# KiCad board esp32-joystick.kicad_pcb
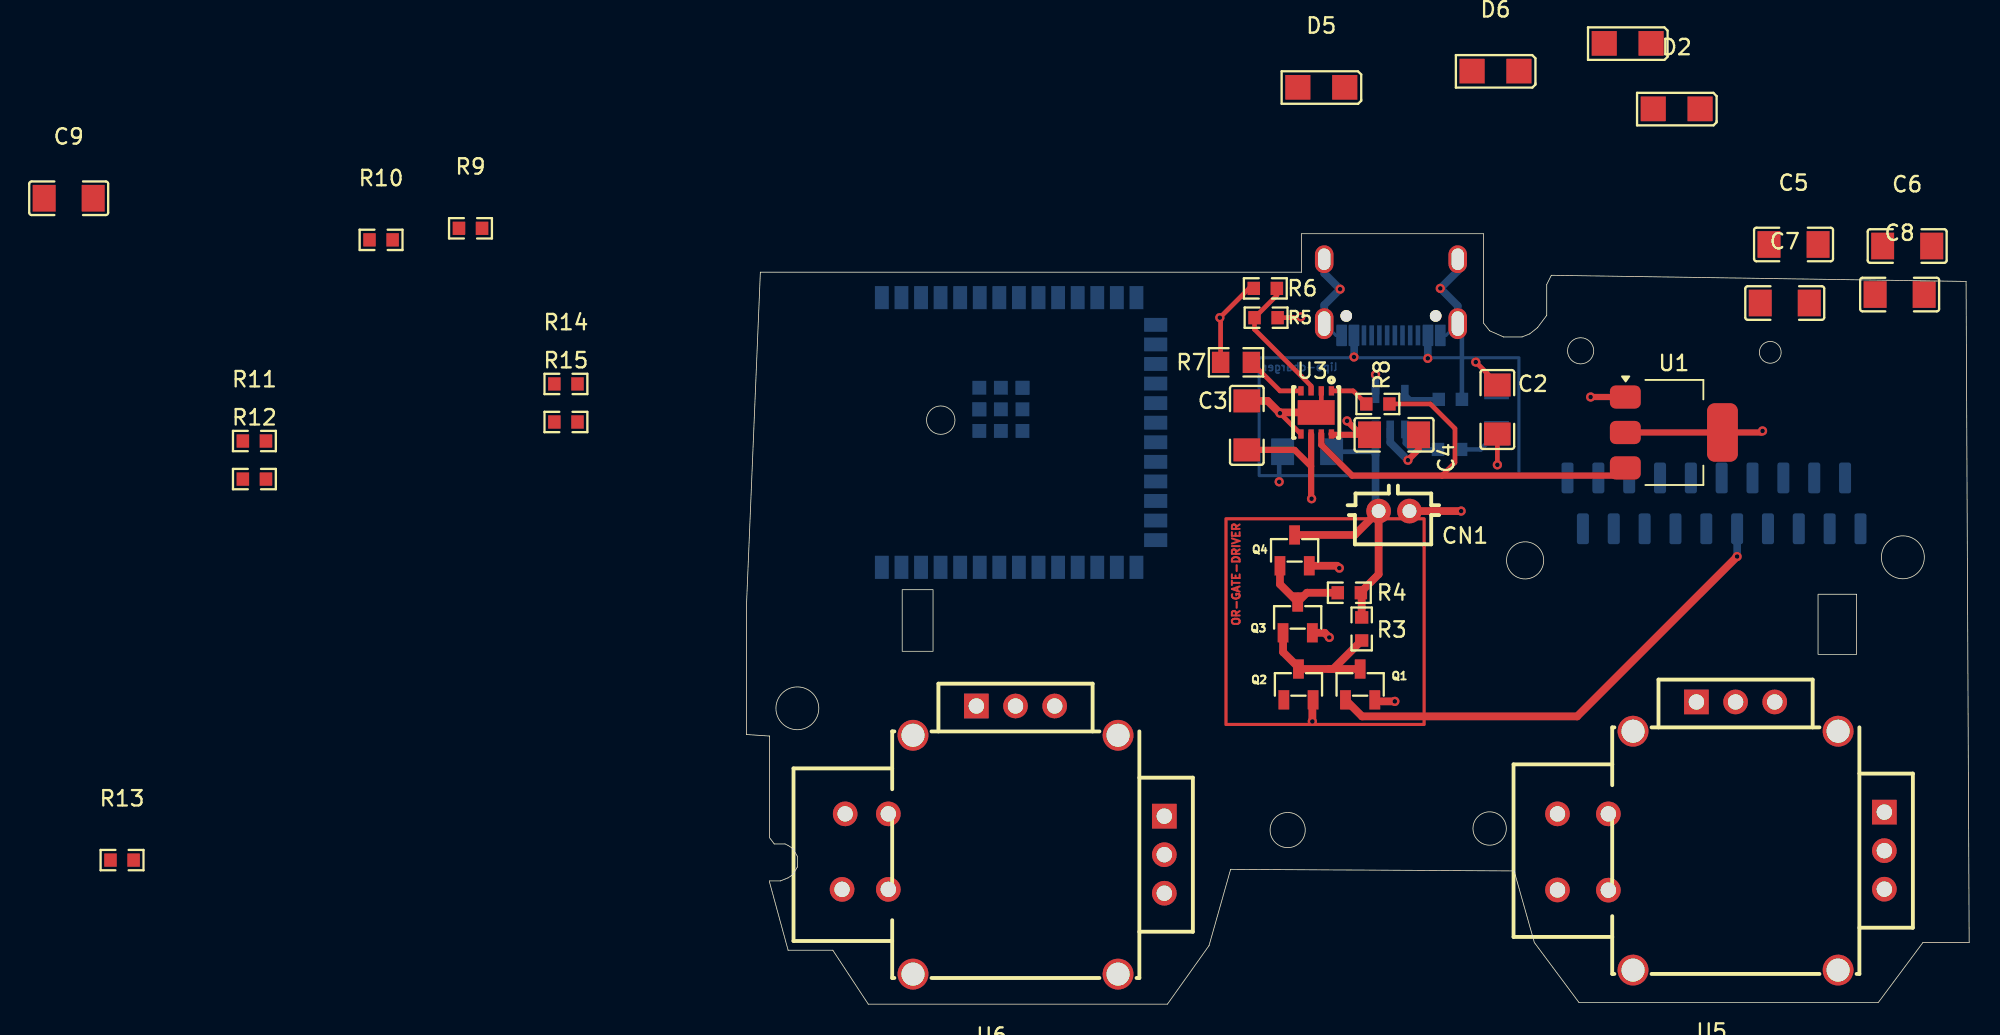
[diagram p0: board, top side]
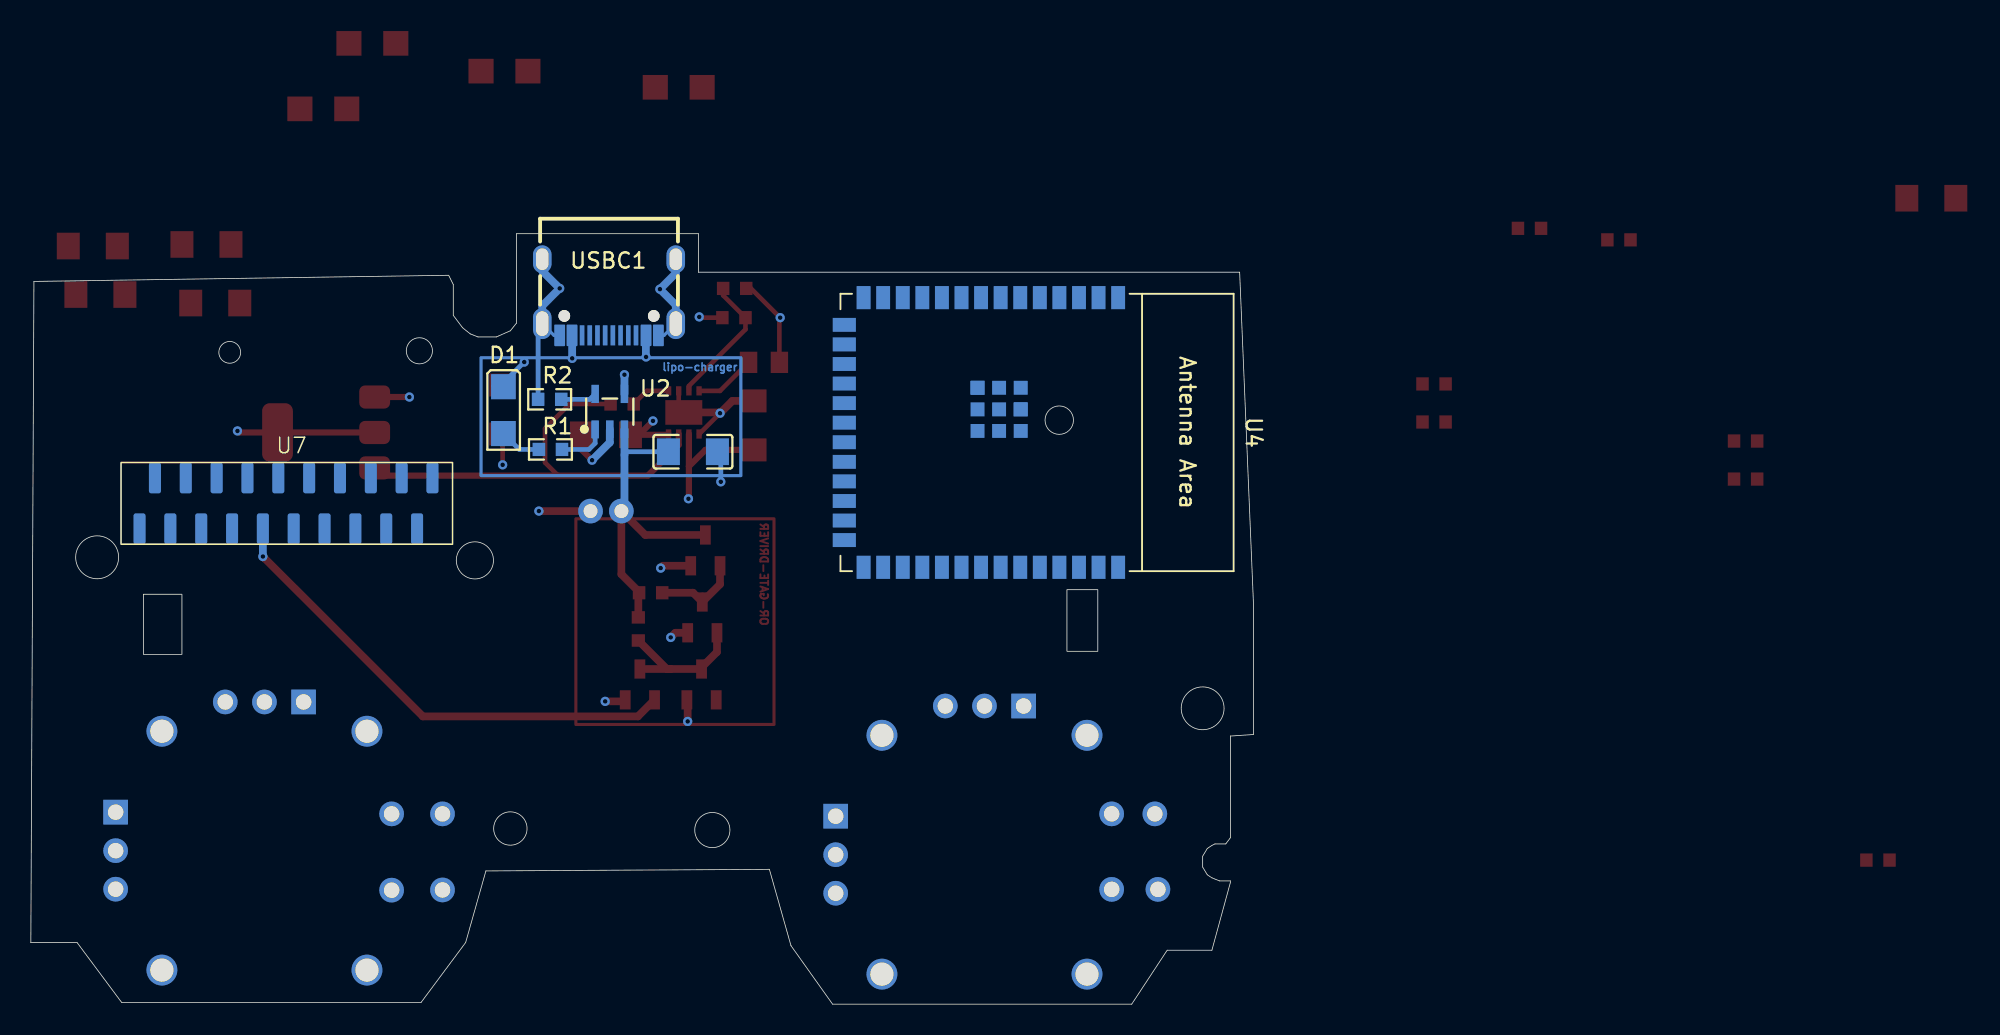
[diagram p1: board, bottom side, seen from below]

Outline 79.3 x 50 mm; copper layers: Top, Ground.Plane (plane), Power.Plane (plane), Bottom. Coordinates in mm from the lower left corner of the outline.
Outline path: circle c3.3,19.2 r1.39 ; rectangle 10.1,26.9 12.1,22.9 ; circle c12.6,37.9 r0.92 ; circle c35.1,11.3 r1.14 ; circle c48.2,11.4 r1.08 ; circle c50.5,28.8 r1.2 ; circle c54.1,42.4 r0.85 ; circle c66.4,42.3 r0.71 ; rectangle 69.5,26.6 72,22.7 ; circle c75,29 r1.39 ; 0,25.9 0.9,47.5 36,47.5 36,50 47.8,50 47.8,44.2 48.2,43.7 49.1,43.3 50.3,43.3 50.8,43.5 51.3,43.9 51.9,44.7 51.9,46.7 52.2,47.3 79.1,46.9 79.3,4 76.3,4 73.4,0.1 54,0.1 51.1,4 49.79,8.65 31.4,8.75 30,3.8 27.3,0 7.9,0 5.6,3.5 2.7,3.5 1.5,7.9 1.5,8 2.2,8 2.7,8.2 3,8.4 3.3,8.9 3.3,9.6 3,10.1 2.7,10.3 2.5,10.4 1.8,10.4 1.5,10.8 1.5,17.4 0,17.5 0,25.9
Stack: Top 0.035mm / dielectric 0.1mm FR4 er 4.5 / Ground.Plane 0.035mm / dielectric 1.24mm FR4 er 4.5 / Power.Plane 0.035mm / dielectric 0.1mm FR4 er 4.5 / Bottom 0.035mm

## Placement (name value [footprint] x y rotation side)
C1  4.7uF  [C1206]  36.36 35.85 180 bottom
C2  4.7uF  [C1206]  48.7 38.59 270 top
C3  0.1uF  [C1206]  32.45 37.56 90 top
C4  0.1uF  [C1206]  42 36.95 0 top
C5  100uF  [C1206]  67.91 49.3 0 top
C6  10uF  [C1206]  75.28 49.2 0 top
C7  22uF  [C1206]  67.34 45.5 0 top
C8  100uF  [C1206]  74.79 46.05 0 top
C9  22uF  [C1206]  -43.96 52.3 0 top
CN1  LIPO PIN  [CONN-TH_B2B-PH-K-S]  42 32 180 top
D1  LED  [LED1206-FD]  48.65 38.55 90 bottom
D2  LED  [LED1206-FD]  60.33 58.1 0 top
D4  LED  [LED1206-FD]  57.15 62.35 0 top
D5  LED  [LED1206-FD]  37.28 59.5 0 top
D6  LED  [LED1206-FD]  48.58 60.55 0 top
Q1  SI2300  [SOT-23-3_L2.9-W1.3-P1.90-LS2.4-BR]  39.8 20.75 270 top
Q2  SI2300  [SOT-23-3_L2.9-W1.3-P1.90-LS2.4-BR]  35.8 20.75 270 top
Q3  SI2300  [SOT-23-3_L2.9-W1.3-P1.90-LS2.4-BR]  35.75 25.1 270 top
Q4  SI2300_C5224175  [SOT-23-3_L2.9-W1.3-P1.90-LS2.4-BR]  35.55 29.45 270 top
R1  470K  [R0603]  45.6 36 180 bottom
R2  2K  [R0603]  45.65 39.25 0 bottom
R3  10K  [R0603]  39.9 24.35 270 top
R4  10K  [R0603]  39.1 26.7 180 top
R5  1K  [R0603]  33.7 44.55 180 top
R6  1K  [R0603]  33.65 46.45 180 top
R7  400  [R0805]  31.75 41.65 180 top
R8  1K  [R0603]  40.95 38.95 0 top
R9  5K1  [R0603]  -17.9 50.35 0 top
R10  5K1  [R0603]  -23.7 49.6 0 top
R11  5K1  [R0603]  -31.91 36.55 0 top
R12  5K1  [R0603]  -31.91 34.08 0 top
R13  5K1  [R0603]  -40.5 9.35 0 top
R14  5K1  [R0603]  -11.71 40.25 0 top
R15  R  [R0603]  -11.71 37.78 0 top
U1  LD1117S33TR_SOT223  [SOT-223-3_TabPin2]  60.15 37.1 0 top
U2  MCP73831T-2ACI/OT  [SOT-23-5_L3.0-W1.7-P0.95-LS2.8-BL]  41.75 38.45 180 bottom
U3  TPS2113ADRBR  [SON-8_L3.0-W3.0-P0.65-LS3.0-BL-EP]  36.95 38.4 180 top
U4  -  [ESP32-S3-WROOM-1]  17.04 37.1 270 bottom
U5  YK16S-L7.2-B10KA(32-8)-G-A29  [JOYTICK-TH_YF16S-FL7.2-B5KB-45-10-Y_1]  62.6 11.91 0 top
U6  YK16S-L7.2-B10KA(32-8)-G-A29  [JOYTICK-TH_YF16S-FL7.2-B5KB-45-10-Y_1#2]  15.9 11.65 0 top
U7  PS3 FPC CONN 20PIN  [ps3_fpc_conn_20pin]  73.45 35.15 180 bottom
USBC1  TYPE-C-31-M-12  [USB-C_SMD-TYPE-C-31-M-12_1]  41.8 45.87 0 bottom

## Library data of the parts
C1-C9 = -: Description: Unpolarized capacitor; ki_fp_filters: C_*
CN1 = -: Datasheet: https://lcsc.com/product-detail/PH-Connectors_JST_B2B-PH-K-S-LF-SN_B2B-PH-K-S-LF-SN_C131337.html; LCSC Part: C131337
D1 D2 D4-D6 = -: Description: Light emitting diode; Sim.Pins: 1=K 2=A; ki_fp_filters: LED* LED_SMD:* LED_THT:*
Q1-Q4 = -: LCSC Part: C5224175
R1-R15 = -: Description: Resistor; ki_fp_filters: R_*
U1 = -: Datasheet: http://www.st.com/st-web-ui/static/active/en/resource/technical/document/datasheet/CD00000544.pdf; Description: 800mA Fixed Low Drop Positive Voltage Regulator, Fixed Output 3.3V, SOT-223; ki_fp_filters: SOT?223*TabPin2*
U2 = -: Datasheet: https://lcsc.com/product-detail/PMIC-Battery-Management_Microchip-Tech-MCP73831T-2ACI-OT_C424093.html; LCSC Part: C424093
U3 = -: LCSC Part: C354512
U4 = -: Datasheet: https://www.espressif.com/sites/default/files/documentation/esp32-s3-wroom-1_wroom-1u_datasheet_en.pdf; Description: 2.4 GHz WiFi (802.11 b/g/n) and Bluetooth ® 5 (LE) module Built around ESP32S3 series of SoCs, Xtensa ® dualcore 32bit LX7 microprocessor Flash up to 16 MB, PSRAM up to 8 MB 36 GPIOs, rich set of peripherals Onboard PCB antenna
U5 U6 = -: LCSC Part: C37323746
U7 = -: Description: connection for flex cable of ps3 joystick.
USBC1 = -: Datasheet: https://lcsc.com/product-detail/USB-Type-C_Korean-Hroparts-Elec-TYPE-C-31-M-12_C165948.html; LCSC Part: C165948

## Footprints (pads in the part's own frame, mm; a bottom-side part is the same pattern mirrored in y, then rotated)
C1206
  rect 1.49x1.73 smd: 1(-1.59,0) 2(1.59,0)
CONN-TH_B2B-PH-K-S
  round 1.6 hole 0.9: 1(1,0) 2(-1,0)
ESP32-S3-WROOM-1
  rect 1.5x0.9 smd: 1(-8.75,8.26) 2(-8.75,6.99) 3(-8.75,5.72) 4(-8.75,4.45) 5(-8.75,3.18) 6(-8.75,1.91) 7(-8.75,0.64) 8(-8.75,-0.63) 9(-8.75,-1.9) 10(-8.75,-3.17) 11(-8.75,-4.44) 12(-8.75,-5.71) 13(-8.75,-6.98) 14(-8.75,-8.25) 27(8.75,-8.25) 28(8.75,-6.98) 29(8.75,-5.71) 30(8.75,-4.44) 31(8.75,-3.17) 32(8.75,-1.9) 33(8.75,-0.63) 34(8.75,0.64) 35(8.75,1.91) 36(8.75,3.18) 37(8.75,4.45) 38(8.75,5.72) 39(8.75,6.99) 40(8.75,8.26)
  rect 0.9x1.5 smd: 15(-6.985,-9.5) 16(-5.715,-9.5) 17(-4.445,-9.5) 18(-3.175,-9.5) 19(-1.905,-9.5) 20(-0.635,-9.5) 21(0.635,-9.5) 22(1.905,-9.5) 23(3.175,-9.5) 24(4.445,-9.5) 25(5.715,-9.5) 26(6.985,-9.5)
  rect 0.9x0.9 smd: 41(-2.9,-0.86) 41(-2.9,-0.86) 41(-2.9,0.54) 41(-2.9,1.94) 41(-1.5,-0.86) 41(-1.5,0.54) 41(-1.5,1.94) 41(-1.5,1.94) 41(-0.1,-0.86) 41(-0.1,0.54) 41(-0.1,1.94)
JOYTICK-TH_YF16S-FL7.2-B5KB-45-10-Y_1
  rect 1.6x1.6 hole 1: 1(-0.99,7.7) 4(11.2,0.55)
  round 1.6 hole 1: 2(1.55,7.7) 3(4.09,7.7) 5(11.2,-1.95) 6(11.2,-4.45) 7(-10,0.438) 7(-6.7,0.438) 8(-10,-4.5) 8(-6.7,-4.513)
  round 2 hole 1.5: 9(-5.1,-9.7) 10(8.2,-9.7) 11(8.2,5.8) 12(-5.1,5.8)
JOYTICK-TH_YF16S-FL7.2-B5KB-45-10-Y_1#2
  rect 1.6x1.6 hole 1: 1(-0.99,7.7) 4(11.2,0.55)
  round 1.6 hole 1: 2(1.55,7.7) 3(4.09,7.7) 5(11.2,-1.95) 6(11.2,-4.45) 7(-9.5,0.7) 7(-6.7,0.7) 8(-9.7,-4.2) 8(-6.7,-4.2)
  round 2 hole 1.5: 9(-5.1,-9.7) 10(8.2,-9.7) 11(8.2,5.8) 12(-5.1,5.8)
LED1206-FD
  rect 1.63x1.6 smd: 1(-1.52,0) 2(1.52,0)
ps3_fpc_conn_20pin
  rrect 0.78x2 smd: 1(20.2,-1) 2(19.2,-4.3) 3(18.2,-1) 4(17.2,-4.3) 5(16.2,-1) 6(15.2,-4.3) 7(14.2,-1) 8(13.2,-4.3) 9(12.2,-1) 10(11.2,-4.3) 11(10.2,-1) 12(9.2,-4.3) 13(8.2,-1) 14(7.2,-4.3) 15(6.2,-1) 16(5.2,-4.3) 17(4.2,-1) 18(3.2,-4.3) 19(2.2,-1) 20(1.2,-4.3)
R0603
  rect 0.81x0.86 smd: 1(-0.75,0) 2(0.75,0)
R0805
  rect 1.13x1.38 smd: 1(-1,0) 2(1,0)
SON-8_L3.0-W3.0-P0.65-LS3.0-BL-EP
  rect 0.35x0.6 smd: 1(-0.99,-1.4) 2(-0.33,-1.4) 3(0.33,-1.4) 4(0.99,-1.4) 5(0.99,1.4) 6(0.33,1.4) 7(-0.33,1.4) 8(-0.99,1.4)
  rect 2.4x1.6 smd: 9(0,0)
SOT-23-3_L2.9-W1.3-P1.90-LS2.4-BR
  rect 1.25x0.7 smd: 1(1,-0.95) 2(1,0.95) 3(-1,0)
SOT-23-5_L3.0-W1.7-P0.95-LS2.8-BL
  rect 0.49x1.16 smd: 1(-0.95,-1.15) 2(0,-1.15) 3(0.95,-1.15)
  rect 0.49x1.18 smd: 4(0.95,1.15) 5(-0.95,1.15)
SOT-223-3_TabPin2
  rrect 2x1.5 smd: 1(-3.15,2.3) 2(-3.15,0) 3(-3.15,-2.3)
  rrect 2x3.8 smd: 2(3.15,0)
USB-C_SMD-TYPE-C-31-M-12_1
  round 0.75 hole 0.75: (-2.9,1.21) (2.9,1.21)
  oval 1.2x2 hole 0.8x1.6: 1(4.33,1.71) 4(-4.33,1.71)
  oval 1.2x1.8 hole 0.8x1.4: 2(4.33,-2.47) 3(-4.33,-2.47)
  custom 0.7x1.4 smd: A1B12(-3.2,2.47) A4B9(-2.4,2.47) B1A12(3.2,2.47) B4A9(2.4,2.47)
  rect 0.3x1.3 smd: A5(-1.25,2.47) A6(-0.25,2.47) A7(0.25,2.47) A8(1.25,2.47) B5(1.75,2.47) B6(0.75,2.47) B7(-0.75,2.47) B8(-1.75,2.47)

## Nets
+3.7V: C1.1 C3.1 CN1.1 Q4.2 Q4.3 R3.1 R4.1 R11.2 U2.3 U3.6
+3V3: C6.1 C7.1 C8.1 R15.1 U1.2 U4.2 U5.3 U5.6 U5.7 U6.3 U6.6 U6.7 U7.8 U7.11 U7.13 U7.14
+5V: C2.1 C4.1 D1.2 R5.1 R12.2 U2.4 U3.8 USBC1.A4B9 USBC1.B4A9
GND: C1.2 C2.2 C3.2 C4.2 C5.2 C6.2 C7.2 C8.2 C9.2 CN1.2 D2.1 D4.1 D5.1 D6.1 Q1.2 Q2.2 Q3.2 R2.2 R6.2 R7.2 R9.1 R10.1 U1.1 U2.2 U3.2 U3.5 U3.9 U4.1 U4.40 U4.41 U5.1 U5.4 U5.9 U5.10 U5.11 U5.12 U6.1 U6.4 U6.9 U6.10 U6.11 U6.12 USBC1.1 USBC1.2 USBC1.3 USBC1.4 USBC1.A1B12 USBC1.B1A12
D+: U4.14 USBC1.A6 USBC1.B6
D-: U4.13 USBC1.A7 USBC1.B7
EN: C9.1 R15.2 U4.3
GPIO00: U4.27
GPIO01: U4.39 U7.1
GPIO02: U4.38 U7.2
GPIO03: U4.15 U7.19
GPIO04: U4.4 U7.20
GPIO05: U4.5 U5.5
GPIO06: U4.6 U5.2
GPIO07: U4.7 U6.5
GPIO08: U4.12 U6.2
GPIO09: U4.17 U7.3
GPIO10: U4.18 U7.4
GPIO11: U4.19 U7.5
GPIO12: U4.20 U7.6
GPIO13: U4.21 U7.7
GPIO14: U4.22 U7.9
GPIO15: U4.8 U7.10
GPIO16: Q1.1 U4.9 U7.12
GPIO17: U4.10 U7.15
GPIO18: U4.11 U7.16
GPIO21: U4.23 U7.17
GPIO35: U4.28
GPIO36: U4.29
GPIO37: U4.30
GPIO38: U4.31 U7.18
GPIO39: R13.1 U4.32
GPIO40: R14.1 U4.33
GPIO41: U4.34
GPIO42: Q2.1 U4.35
GPIO43: U4.37
GPIO44: U4.36
GPIO45: U4.26 U5.8
GPIO46: U4.16 U6.8
GPIO47: U4.24
GPIO48: U4.25
OR_OUT: Q3.3 Q4.1 R4.2
PM_OUT: C5.1 R8.2 U1.3 U3.7
Net-(D1-K): D1.1 R1.1
Net-(D2-A): D2.2 R11.1
Net-(D4-A): D4.2 R12.1
Net-(D5-A): D5.2 R13.2
Net-(D6-A): D6.2 R14.2
Net-(Q1-D): Q1.3 Q2.3 Q3.1 R3.2
Net-(U2-PROG): R2.1 U2.5
Net-(U2-STAT): R1.2 U2.1
Net-(U3-ILIM): R7.1 U3.4
Net-(U3-STAT): R8.1 U3.1
Net-(U3-VSNS): R5.2 R6.1 U3.3
Net-(USBC1-CC1): R9.2 USBC1.A5
Net-(USBC1-CC2): R10.2 USBC1.B5

Pads without a net: USBC1 A8 B8

## Via types
v1: diameter 0.6, hole 0.3, Top to Bottom, 22 vias

## Routing (per net, layer and track width the routed paths; a pad name or vN(x,y) marks a point on that pad's centre or on a via; arc(x,y) is an arc through that point)
+3.7V: length 32.7
  Top w0.4: 36.62,34.9 35.55,35.97 C3.1 ; 36.62,34.9 U3.6 ; 36.62,34.9 36.62,32.83 v1(36.65,32.8)
  Top w0.5: Q4.3 39.45,30.45 CN1.1 ; CN1.1 41,27.9 39.85,26.75 R4.1 39.9,26.65 R3.1 ; CN1.1 40.95,32.05 ; v1(38.45,28.3) 38.3,28.45 Q4.2
  Bottom w0.3: C1.1 40.6,35.85 40.8,35.65
  Bottom w0.5: U2.3 40.8,32.2 CN1.1
+3V3: length 8.9
  Top w0.4: U1.2 U1.2 65.8,37.1 v1(65.9,37.2)
+5V: length 14.7
  Top w0.3: v1(47.3,41.67) 48.7,40.27 C2.1 ; v1(35.95,44.6) 35.9,44.55 R5.1
  Top w0.4: v1(38.95,37.85) 39.85,36.95 C4.1 37.99,36.95 U3.8
  Bottom w0.2: 47.38,41.59 v1(47.3,41.67)
  Bottom w0.3: 49.28,40.13 49.2,40.05 48.92,40.05 ; D1.2 48.65,40.32 v1(47.3,41.67)
  Bottom w0.5: v1(40.8,40.85) U2.4 ; 39.41,43.4 39.41,42.01 v1(39.4,42) ; v1(44.19,41.91) 44.19,43.4
GND: length 50.8
  Top w0.3: R6.2 32.6,46.45 v1(30.7,44.55) 30.75,44.5 R7.2 ; U3.9 37.28,38.73 U3.2 ; v1(34.6,38.35) 35.95,37 U3.5 ; C2.2 v1(48.7,35)
  Top w0.4: 56.5,39.35 56.55,39.4 U1.1 v1(54.75,39.4) ; C4.2 43.59,35.99 v1(42.9,35.3)
  Top w0.5: U3.9 34.65,38.4 v1(34.6,38.35) 33.8,39.15 C3.2 ; CN1.2 v1(46.35,32) ; Q3.2 37.5,24.1 v1(37.8,23.8) ; v1(42.05,19.65) 40.85,19.65 Q1.2 ; v1(36.7,18.35) 36.7,19.7 Q2.2
  Bottom w0.2: USBC1.A1B12 38.23,43.4 USBC1.4 ; USBC1.B1A12 45.37,43.4 USBC1.1
  Bottom w0.3: C1.2 34.55,35.63 v1(34.55,33.9) ; R2.2 46.4,43.89 USBC1.1
  Bottom w0.5: v1(42.9,35.3) 41.75,36.45 U2.2 ; USBC1.4 37.47,45.37 v1(38.5,46.4) 37.47,47.43 USBC1.3 ; USBC1.1 46.13,45.32 v1(45,46.45) 46.13,47.58 USBC1.2
GPIO16: length 31.9
  Top w0.5: Q1.1 39.93,18.67 53.87,18.67 v1(64.25,29.05)
  Bottom w0.5: v1(64.25,29.05) U7.12
OR_OUT: length 6
  Top w0.5: Q3.3 35.75,26.45 ; Q3.3 34.6,27.25 Q4.1 ; Q3.3 36.35,26.7 R4.2
PM_OUT: length 29.8
  Top w0.3: 45.1,34.3 45.95,35.15 45.95,37.35 44.35,38.95 R8.2
  Top w0.4: U3.7 37.28,36.3 39.28,34.3 56.5,34.3 U1.3
Net-(D1-K): length 2.7
  Bottom w0.3: D1.1 47.62,36 R1.1
Net-(Q1-D): length 9.7
  Top w0.5: Q3.1 34.8,22.85 35.8,21.85 Q2.3 37.8,21.75 ; R3.2 38.05,21.75 37.8,21.75 ; 37.8,21.75 Q1.3 ; 35.75,21.9 35.7,21.95
Net-(U2-PROG): length 2.3
  Bottom w0.3: U2.5 43.05,39.25 R2.1
Net-(U2-STAT): length 3.2
  Bottom w0.3: R1.2 43.1,36 42.7,36.4 U2.1
Net-(U3-ILIM): length 4
  Top w0.3: R7.1 34.6,39.8 U3.4
Net-(U3-STAT): length 2.6
  Top w0.3: U3.1 39.35,39.8 R8.1
Net-(U3-VSNS): length 8.8
  Top w0.3: U3.3 36.62,40.12 32.95,43.79 R5.2 34.4,46 R6.1

## Copper pours and planes (outline as drawn; the poured copper is in the pictures)
+3.7V on Power.Plane: 32.5,33.25 32.5,17.95 50.55,17.95 50.45,33.15
+3V3 on Power.Plane: -1.15,50.8 -3.45,-2.05 83.7,-1.7 83.4,50.15
+5V on Power.Plane: 33.35,46.75 33.35,36.25 49.85,36.35 49.9,50.2 33.2,50.3
GND on Ground.Plane: -2.5,54.25 -2.3,-5.5 83.8,-5.15 82.65,54.95

## Text on the board
Bottom: lipo-charger
Top: OR-GATE-DRIVER
